# KiCad board mixer.pcb.kicad_pcb
title: Mixer_pcb; rev: 0.2; company: AAA
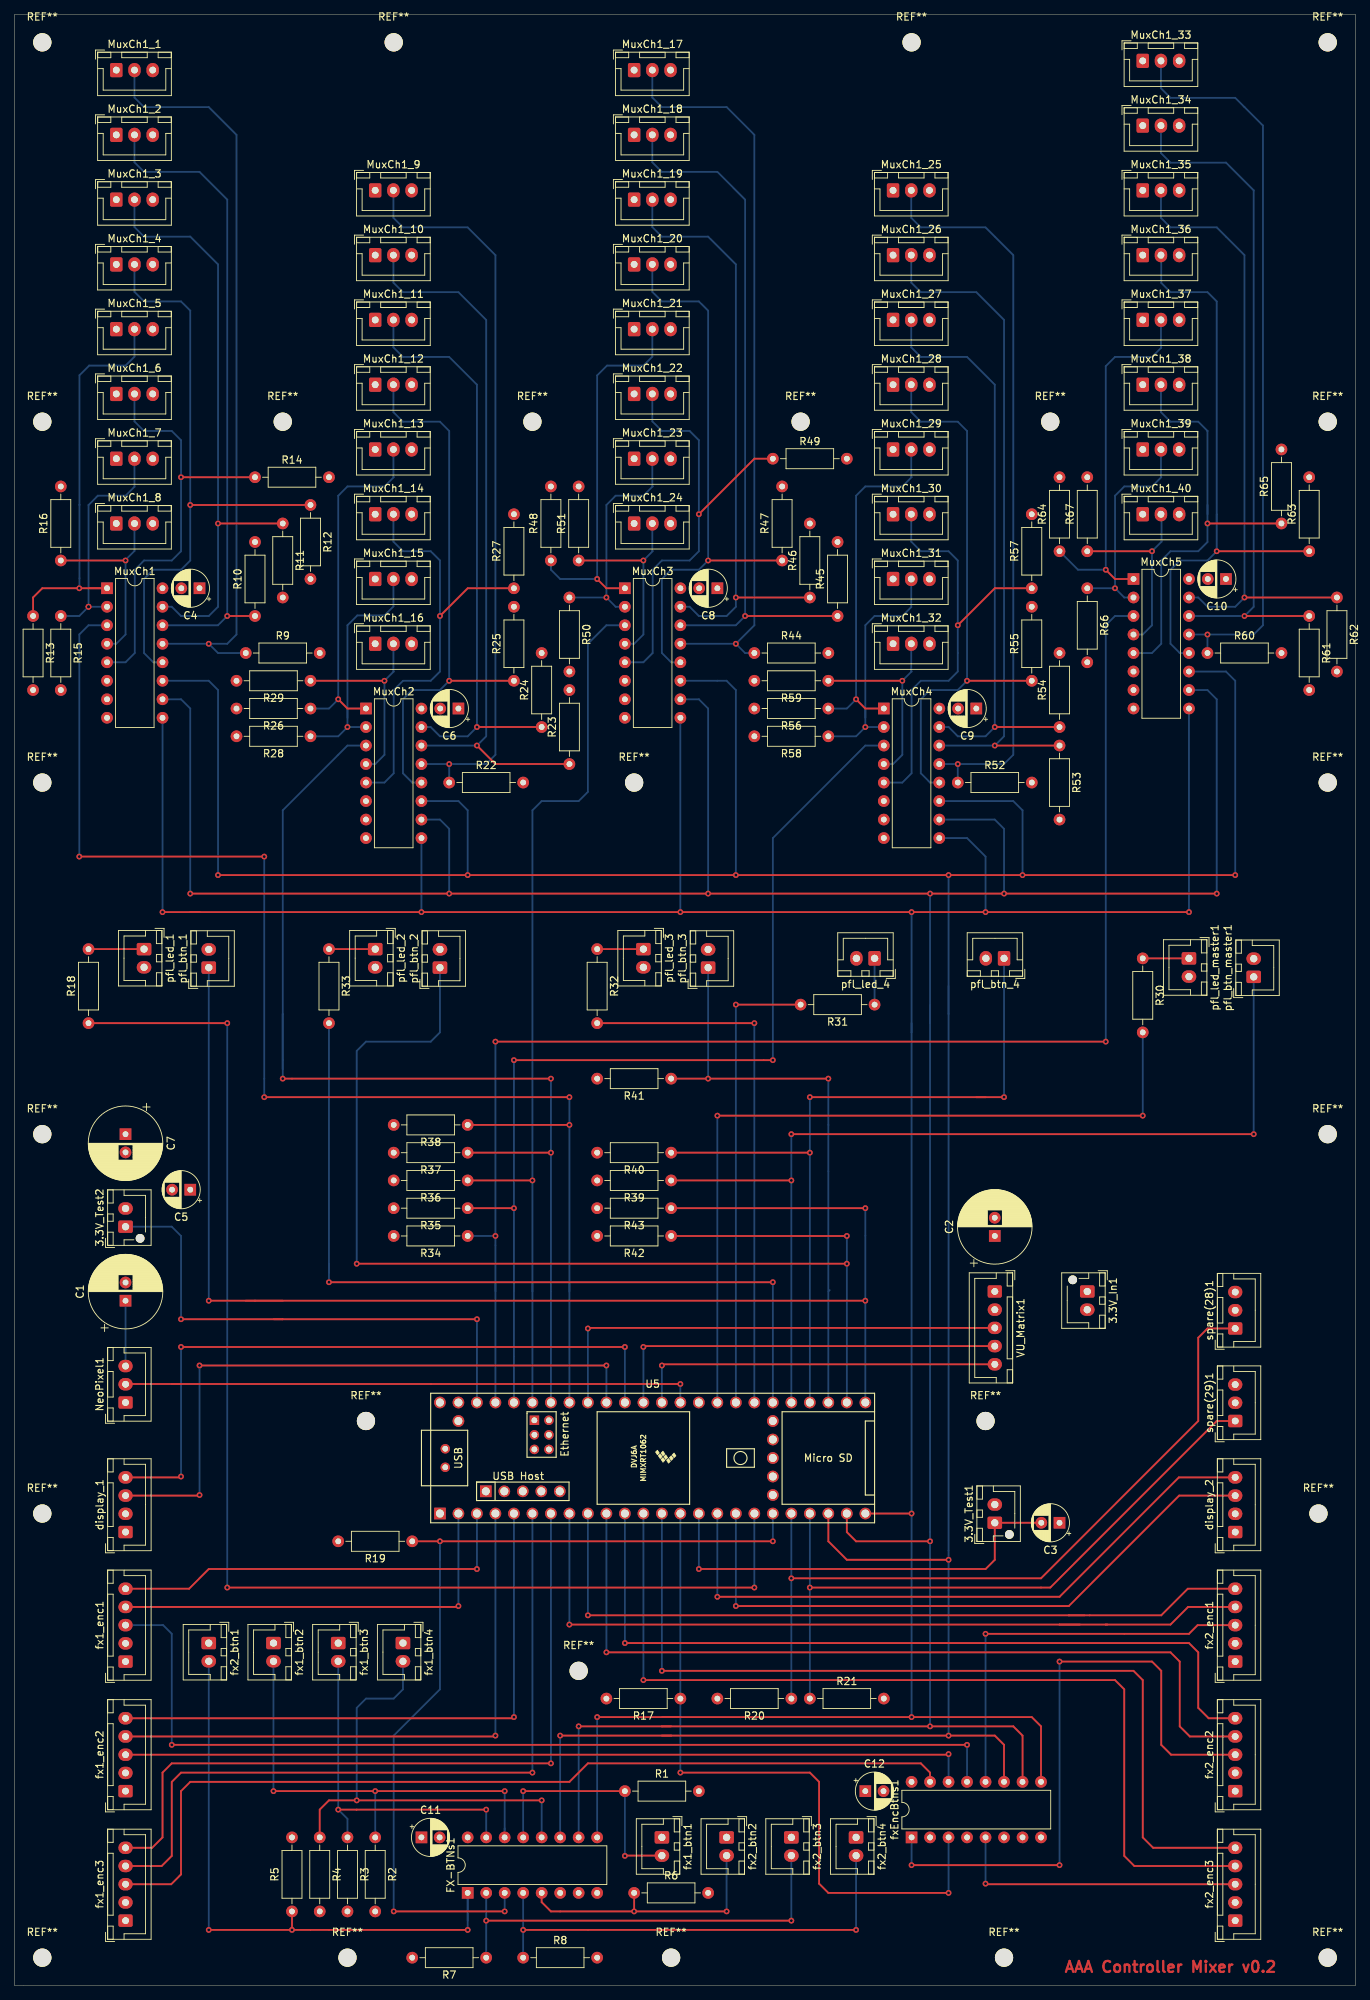
[diagram p0: board, top side]
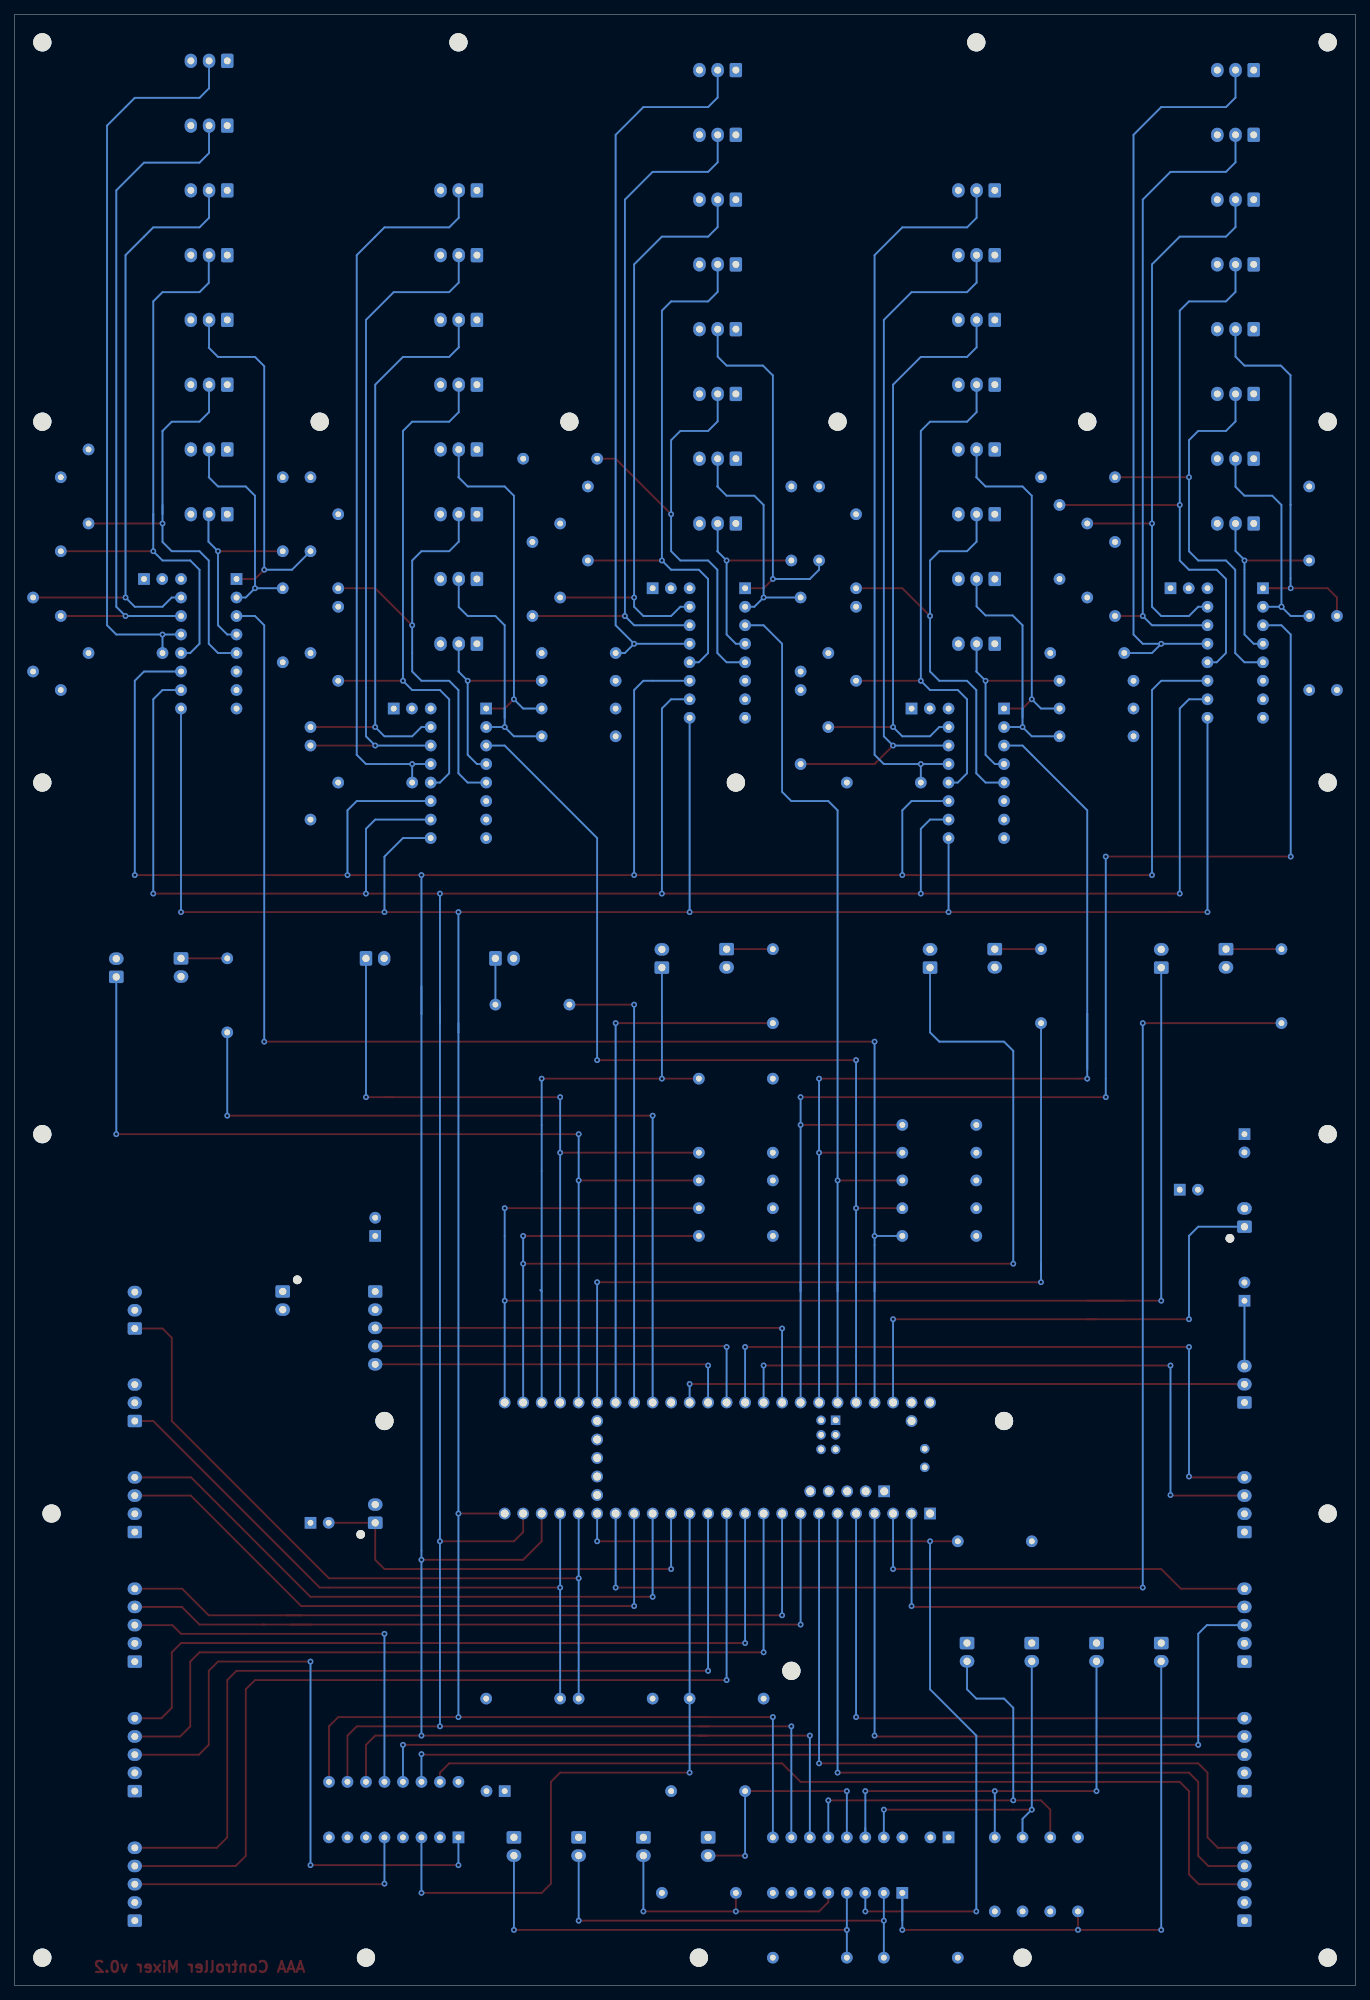
[diagram p1: board, bottom side, seen from below]

Outline 184.15 x 270.51 mm; copper layers: Top, In1.Cu (plane), In2.Cu (plane), Bottom. Coordinates in mm from the lower left corner of the outline.
Outline path: 0,270.51 184.15,270.51 184.15,0 0,0 0,270.51

## Placement (name value [footprint] x y rotation side)
3.3V_In1  Conn_01x02  [JST_XH_B2B-XH-AM_1x02_P2.50mm_Vertical]  147.32 95.25 270 top
3.3V_Test1  Conn_01x02  [JST_XH_B2B-XH-AM_1x02_P2.50mm_Vertical]  134.62 63.5 90 top
3.3V_Test2  Conn_01x02  [JST_XH_B2B-XH-AM_1x02_P2.50mm_Vertical]  15.24 104.14 90 top
C1  100 uF  [CP_Radial_D10.0mm_P2.50mm]  15.24 93.98 90 top
C2  100 uF  [CP_Radial_D10.0mm_P2.50mm]  134.62 102.87 90 top
C3  100 nF  [CP_Radial_D5.0mm_P2.50mm]  143.51 63.5 180 top
C4  100 nF  [CP_Radial_D5.0mm_P2.50mm]  25.4 191.77 180 top
C5  100 nF  [CP_Radial_D5.0mm_P2.50mm]  24.13 109.22 180 top
C6  100 nF  [CP_Radial_D5.0mm_P2.50mm]  60.96 175.26 180 top
C7  100 uF  [CP_Radial_D10.0mm_P2.50mm]  15.24 116.84 270 top
C8  100 nF  [CP_Radial_D5.0mm_P2.50mm]  96.52 191.77 180 top
C9  100 nF  [CP_Radial_D5.0mm_P2.50mm]  132.08 175.26 180 top
C10  100 nF  [CP_Radial_D5.0mm_P2.50mm]  166.37 193.04 180 top
C11  100 nF  [CP_Radial_D5.0mm_P2.50mm]  55.88 20.32 0 top
C12  100 nF  [CP_Radial_D5.0mm_P2.50mm]  116.84 26.67 0 top
display_1  Conn_01x04  [JST_XH_B4B-XH-A_1x04_P2.50mm_Vertical]  15.24 62.23 90 top
display_2  Conn_01x04  [JST_XH_B4B-XH-A_1x04_P2.50mm_Vertical]  167.64 62.23 90 top
fx1_btn1  Conn_01x02  [JST_XH_B2B-XH-A_1x02_P2.50mm_Vertical]  88.9 20.32 270 top
fx1_btn2  Conn_01x02  [JST_XH_B2B-XH-A_1x02_P2.50mm_Vertical]  35.56 46.99 270 top
fx1_btn3  Conn_01x02  [JST_XH_B2B-XH-A_1x02_P2.50mm_Vertical]  44.45 46.99 270 top
fx1_btn4  Conn_01x02  [JST_XH_B2B-XH-A_1x02_P2.50mm_Vertical]  53.34 46.99 270 top
fx1_enc1  Conn_01x05  [JST_XH_B5B-XH-A_1x05_P2.50mm_Vertical]  15.24 44.45 90 top
fx1_enc2  Conn_01x05  [JST_XH_B5B-XH-A_1x05_P2.50mm_Vertical]  15.24 26.67 90 top
fx1_enc3  Conn_01x05  [JST_XH_B5B-XH-A_1x05_P2.50mm_Vertical]  15.24 8.89 90 top
fx2_btn1  Conn_01x02  [JST_XH_B2B-XH-A_1x02_P2.50mm_Vertical]  26.67 46.99 270 top
fx2_btn2  Conn_01x02  [JST_XH_B2B-XH-A_1x02_P2.50mm_Vertical]  97.79 20.32 270 top
fx2_btn3  Conn_01x02  [JST_XH_B2B-XH-A_1x02_P2.50mm_Vertical]  106.68 20.32 270 top
fx2_btn4  Conn_01x02  [JST_XH_B2B-XH-A_1x02_P2.50mm_Vertical]  115.57 20.32 270 top
fx2_enc1  Conn_01x05  [JST_XH_B5B-XH-A_1x05_P2.50mm_Vertical]  167.64 44.45 90 top
fx2_enc2  Conn_01x05  [JST_XH_B5B-XH-A_1x05_P2.50mm_Vertical]  167.64 26.67 90 top
fx2_enc3  Conn_01x05  [JST_XH_B5B-XH-A_1x05_P2.50mm_Vertical]  167.64 8.89 90 top
FX-BTNs1  74HC4051  [DIP-16_W7.62mm]  62.23 12.7 90 top
fxEncBtns1  74HC4051  [DIP-16_W7.62mm]  123.19 20.32 90 top
MuxCh1  74HC4051  [DIP-16_W7.62mm]  12.7 191.77 0 top
MuxCh1_1  Conn_01x03  [JST_XH_B3B-XH-A_1x03_P2.50mm_Vertical]  13.97 262.89 0 top
MuxCh1_2  Conn_01x03  [JST_XH_B3B-XH-A_1x03_P2.50mm_Vertical]  13.97 254 0 top
MuxCh1_3  Conn_01x03  [JST_XH_B3B-XH-A_1x03_P2.50mm_Vertical]  13.97 245.11 0 top
MuxCh1_4  Conn_01x03  [JST_XH_B3B-XH-A_1x03_P2.50mm_Vertical]  13.97 236.22 0 top
MuxCh1_5  Conn_01x03  [JST_XH_B3B-XH-A_1x03_P2.50mm_Vertical]  13.97 227.33 0 top
MuxCh1_6  Conn_01x03  [JST_XH_B3B-XH-A_1x03_P2.50mm_Vertical]  13.97 218.44 0 top
MuxCh1_7  Conn_01x03  [JST_XH_B3B-XH-A_1x03_P2.50mm_Vertical]  13.97 209.55 0 top
MuxCh1_8  Conn_01x03  [JST_XH_B3B-XH-A_1x03_P2.50mm_Vertical]  13.97 200.66 0 top
MuxCh1_9  Conn_01x03  [JST_XH_B3B-XH-A_1x03_P2.50mm_Vertical]  49.53 246.38 0 top
MuxCh1_10  Conn_01x03  [JST_XH_B3B-XH-A_1x03_P2.50mm_Vertical]  49.53 237.49 0 top
MuxCh1_11  Conn_01x03  [JST_XH_B3B-XH-A_1x03_P2.50mm_Vertical]  49.53 228.6 0 top
MuxCh1_12  Conn_01x03  [JST_XH_B3B-XH-A_1x03_P2.50mm_Vertical]  49.53 219.71 0 top
MuxCh1_13  Conn_01x03  [JST_XH_B3B-XH-A_1x03_P2.50mm_Vertical]  49.53 210.82 0 top
MuxCh1_14  Conn_01x03  [JST_XH_B3B-XH-A_1x03_P2.50mm_Vertical]  49.53 201.93 0 top
MuxCh1_15  Conn_01x03  [JST_XH_B3B-XH-A_1x03_P2.50mm_Vertical]  49.53 193.04 0 top
MuxCh1_16  Conn_01x03  [JST_XH_B3B-XH-A_1x03_P2.50mm_Vertical]  49.53 184.15 0 top
MuxCh1_17  Conn_01x03  [JST_XH_B3B-XH-A_1x03_P2.50mm_Vertical]  85.09 262.89 0 top
MuxCh1_18  Conn_01x03  [JST_XH_B3B-XH-A_1x03_P2.50mm_Vertical]  85.09 254 0 top
MuxCh1_19  Conn_01x03  [JST_XH_B3B-XH-A_1x03_P2.50mm_Vertical]  85.09 245.11 0 top
MuxCh1_20  Conn_01x03  [JST_XH_B3B-XH-A_1x03_P2.50mm_Vertical]  85.09 236.22 0 top
MuxCh1_21  Conn_01x03  [JST_XH_B3B-XH-A_1x03_P2.50mm_Vertical]  85.09 227.33 0 top
MuxCh1_22  Conn_01x03  [JST_XH_B3B-XH-A_1x03_P2.50mm_Vertical]  85.09 218.44 0 top
MuxCh1_23  Conn_01x03  [JST_XH_B3B-XH-A_1x03_P2.50mm_Vertical]  85.09 209.55 0 top
MuxCh1_24  Conn_01x03  [JST_XH_B3B-XH-A_1x03_P2.50mm_Vertical]  85.09 200.66 0 top
MuxCh1_25  Conn_01x03  [JST_XH_B3B-XH-A_1x03_P2.50mm_Vertical]  120.65 246.38 0 top
MuxCh1_26  Conn_01x03  [JST_XH_B3B-XH-A_1x03_P2.50mm_Vertical]  120.65 237.49 0 top
MuxCh1_27  Conn_01x03  [JST_XH_B3B-XH-A_1x03_P2.50mm_Vertical]  120.65 228.6 0 top
MuxCh1_28  Conn_01x03  [JST_XH_B3B-XH-A_1x03_P2.50mm_Vertical]  120.65 219.71 0 top
MuxCh1_29  Conn_01x03  [JST_XH_B3B-XH-A_1x03_P2.50mm_Vertical]  120.65 210.82 0 top
MuxCh1_30  Conn_01x03  [JST_XH_B3B-XH-A_1x03_P2.50mm_Vertical]  120.65 201.93 0 top
MuxCh1_31  Conn_01x03  [JST_XH_B3B-XH-A_1x03_P2.50mm_Vertical]  120.65 193.04 0 top
MuxCh1_32  Conn_01x03  [JST_XH_B3B-XH-A_1x03_P2.50mm_Vertical]  120.65 184.15 0 top
MuxCh1_33  Conn_01x03  [JST_XH_B3B-XH-A_1x03_P2.50mm_Vertical]  154.94 264.16 0 top
MuxCh1_34  Conn_01x03  [JST_XH_B3B-XH-A_1x03_P2.50mm_Vertical]  154.94 255.27 0 top
MuxCh1_35  Conn_01x03  [JST_XH_B3B-XH-A_1x03_P2.50mm_Vertical]  154.94 246.38 0 top
MuxCh1_36  Conn_01x03  [JST_XH_B3B-XH-A_1x03_P2.50mm_Vertical]  154.94 237.49 0 top
MuxCh1_37  Conn_01x03  [JST_XH_B3B-XH-A_1x03_P2.50mm_Vertical]  154.94 228.6 0 top
MuxCh1_38  Conn_01x03  [JST_XH_B3B-XH-A_1x03_P2.50mm_Vertical]  154.94 219.71 0 top
MuxCh1_39  Conn_01x03  [JST_XH_B3B-XH-A_1x03_P2.50mm_Vertical]  154.94 210.82 0 top
MuxCh1_40  Conn_01x03  [JST_XH_B3B-XH-A_1x03_P2.50mm_Vertical]  154.94 201.93 0 top
MuxCh2  74HC4051  [DIP-16_W7.62mm]  48.26 175.26 0 top
MuxCh3  74HC4051  [DIP-16_W7.62mm]  83.82 191.77 0 top
MuxCh4  74HC4051  [DIP-16_W7.62mm]  119.38 175.26 0 top
MuxCh5  74HC4051  [DIP-16_W7.62mm]  153.67 193.04 0 top
NeoPixel1  Conn_01x03  [JST_XH_B3B-XH-A_1x03_P2.50mm_Vertical]  15.24 80.01 90 top
pfl_btn_1  Conn_01x02  [JST_XH_B2B-XH-A_1x02_P2.50mm_Vertical]  26.67 139.7 90 top
pfl_btn_2  Conn_01x02  [JST_XH_B2B-XH-A_1x02_P2.50mm_Vertical]  58.42 139.7 90 top
pfl_btn_3  Conn_01x02  [JST_XH_B2B-XH-A_1x02_P2.50mm_Vertical]  95.25 139.7 90 top
pfl_btn_4  Conn_01x02  [JST_XH_B2B-XH-A_1x02_P2.50mm_Vertical]  135.89 140.97 180 top
pfl_btn_master1  Conn_01x02  [JST_XH_B2B-XH-A_1x02_P2.50mm_Vertical]  170.18 138.43 90 top
pfl_led_1  Conn_01x02  [JST_XH_B2B-XH-A_1x02_P2.50mm_Vertical]  17.78 142.24 270 top
pfl_led_2  Conn_01x02  [JST_XH_B2B-XH-A_1x02_P2.50mm_Vertical]  49.53 142.24 270 top
pfl_led_3  Conn_01x02  [JST_XH_B2B-XH-A_1x02_P2.50mm_Vertical]  86.36 142.24 270 top
pfl_led_4  Conn_01x02  [JST_XH_B2B-XH-A_1x02_P2.50mm_Vertical]  118.11 140.97 180 top
pfl_led_master1  Conn_01x02  [JST_XH_B2B-XH-A_1x02_P2.50mm_Vertical]  161.29 140.97 270 top
R1  100k  [R_Axial_DIN0207_L6.3mm_D2.5mm_P10.16mm_Horizontal]  83.82 26.67 0 top
R2  100k  [R_Axial_DIN0207_L6.3mm_D2.5mm_P10.16mm_Horizontal]  49.53 20.32 270 top
R3  100k  [R_Axial_DIN0207_L6.3mm_D2.5mm_P10.16mm_Horizontal]  45.72 20.32 270 top
R4  100k  [R_Axial_DIN0207_L6.3mm_D2.5mm_P10.16mm_Horizontal]  41.91 20.32 270 top
R5  100k  [R_Axial_DIN0207_L6.3mm_D2.5mm_P10.16mm_Horizontal]  38.1 10.16 90 top
R6  100k  [R_Axial_DIN0207_L6.3mm_D2.5mm_P10.16mm_Horizontal]  85.09 12.7 0 top
R7  100k  [R_Axial_DIN0207_L6.3mm_D2.5mm_P10.16mm_Horizontal]  64.77 3.81 180 top
R8  100k  [R_Axial_DIN0207_L6.3mm_D2.5mm_P10.16mm_Horizontal]  69.85 3.81 0 top
R9  100k  [R_Axial_DIN0207_L6.3mm_D2.5mm_P10.16mm_Horizontal]  31.75 182.88 0 top
R10  100k  [R_Axial_DIN0207_L6.3mm_D2.5mm_P10.16mm_Horizontal]  33.02 187.96 90 top
R11  100k  [R_Axial_DIN0207_L6.3mm_D2.5mm_P10.16mm_Horizontal]  36.83 200.66 270 top
R12  100k  [R_Axial_DIN0207_L6.3mm_D2.5mm_P10.16mm_Horizontal]  40.64 203.2 270 top
R13  100k  [R_Axial_DIN0207_L6.3mm_D2.5mm_P10.16mm_Horizontal]  2.54 187.96 270 top
R14  100k  [R_Axial_DIN0207_L6.3mm_D2.5mm_P10.16mm_Horizontal]  33.02 207.01 0 top
R15  100k  [R_Axial_DIN0207_L6.3mm_D2.5mm_P10.16mm_Horizontal]  6.35 187.96 270 top
R16  100k  [R_Axial_DIN0207_L6.3mm_D2.5mm_P10.16mm_Horizontal]  6.35 195.58 90 top
R17  100k  [R_Axial_DIN0207_L6.3mm_D2.5mm_P10.16mm_Horizontal]  91.44 39.37 180 top
R18  500  [R_Axial_DIN0207_L6.3mm_D2.5mm_P10.16mm_Horizontal]  10.16 132.08 90 top
R19  100k  [R_Axial_DIN0207_L6.3mm_D2.5mm_P10.16mm_Horizontal]  54.61 60.96 180 top
R20  100k  [R_Axial_DIN0207_L6.3mm_D2.5mm_P10.16mm_Horizontal]  106.68 39.37 180 top
R21  100k  [R_Axial_DIN0207_L6.3mm_D2.5mm_P10.16mm_Horizontal]  109.22 39.37 0 top
R22  100k  [R_Axial_DIN0207_L6.3mm_D2.5mm_P10.16mm_Horizontal]  59.69 165.1 0 top
R23  100k  [R_Axial_DIN0207_L6.3mm_D2.5mm_P10.16mm_Horizontal]  76.2 167.64 90 top
R24  100k  [R_Axial_DIN0207_L6.3mm_D2.5mm_P10.16mm_Horizontal]  72.39 172.72 90 top
R25  100k  [R_Axial_DIN0207_L6.3mm_D2.5mm_P10.16mm_Horizontal]  68.58 179.07 90 top
R26  100k  [R_Axial_DIN0207_L6.3mm_D2.5mm_P10.16mm_Horizontal]  40.64 175.26 180 top
R27  100k  [R_Axial_DIN0207_L6.3mm_D2.5mm_P10.16mm_Horizontal]  68.58 191.77 90 top
R28  100k  [R_Axial_DIN0207_L6.3mm_D2.5mm_P10.16mm_Horizontal]  40.64 171.45 180 top
R29  100k  [R_Axial_DIN0207_L6.3mm_D2.5mm_P10.16mm_Horizontal]  40.64 179.07 180 top
R30  500  [R_Axial_DIN0207_L6.3mm_D2.5mm_P10.16mm_Horizontal]  154.94 140.97 270 top
R31  500  [R_Axial_DIN0207_L6.3mm_D2.5mm_P10.16mm_Horizontal]  118.11 134.62 180 top
R32  500  [R_Axial_DIN0207_L6.3mm_D2.5mm_P10.16mm_Horizontal]  80.01 142.24 270 top
R33  500  [R_Axial_DIN0207_L6.3mm_D2.5mm_P10.16mm_Horizontal]  43.18 142.24 270 top
R34  100k  [R_Axial_DIN0207_L6.3mm_D2.5mm_P10.16mm_Horizontal]  62.23 102.87 180 top
R35  100k  [R_Axial_DIN0207_L6.3mm_D2.5mm_P10.16mm_Horizontal]  62.23 106.68 180 top
R36  100k  [R_Axial_DIN0207_L6.3mm_D2.5mm_P10.16mm_Horizontal]  62.23 110.49 180 top
R37  100k  [R_Axial_DIN0207_L6.3mm_D2.5mm_P10.16mm_Horizontal]  62.23 114.3 180 top
R38  100k  [R_Axial_DIN0207_L6.3mm_D2.5mm_P10.16mm_Horizontal]  62.23 118.11 180 top
R39  100k  [R_Axial_DIN0207_L6.3mm_D2.5mm_P10.16mm_Horizontal]  90.17 110.49 180 top
R40  100k  [R_Axial_DIN0207_L6.3mm_D2.5mm_P10.16mm_Horizontal]  90.17 114.3 180 top
R41  100k  [R_Axial_DIN0207_L6.3mm_D2.5mm_P10.16mm_Horizontal]  90.17 124.46 180 top
R42  100k  [R_Axial_DIN0207_L6.3mm_D2.5mm_P10.16mm_Horizontal]  90.17 102.87 180 top
R43  100k  [R_Axial_DIN0207_L6.3mm_D2.5mm_P10.16mm_Horizontal]  90.17 106.68 180 top
R44  100k  [R_Axial_DIN0207_L6.3mm_D2.5mm_P10.16mm_Horizontal]  101.6 182.88 0 top
R45  100k  [R_Axial_DIN0207_L6.3mm_D2.5mm_P10.16mm_Horizontal]  113.03 187.96 90 top
R46  100k  [R_Axial_DIN0207_L6.3mm_D2.5mm_P10.16mm_Horizontal]  109.22 190.5 90 top
R47  100k  [R_Axial_DIN0207_L6.3mm_D2.5mm_P10.16mm_Horizontal]  105.41 195.58 90 top
R48  100k  [R_Axial_DIN0207_L6.3mm_D2.5mm_P10.16mm_Horizontal]  73.66 195.58 90 top
R49  100k  [R_Axial_DIN0207_L6.3mm_D2.5mm_P10.16mm_Horizontal]  104.14 209.55 0 top
R50  100k  [R_Axial_DIN0207_L6.3mm_D2.5mm_P10.16mm_Horizontal]  76.2 190.5 270 top
R51  100k  [R_Axial_DIN0207_L6.3mm_D2.5mm_P10.16mm_Horizontal]  77.47 195.58 90 top
R52  100k  [R_Axial_DIN0207_L6.3mm_D2.5mm_P10.16mm_Horizontal]  129.54 165.1 0 top
R53  100k  [R_Axial_DIN0207_L6.3mm_D2.5mm_P10.16mm_Horizontal]  143.51 170.18 270 top
R54  100k  [R_Axial_DIN0207_L6.3mm_D2.5mm_P10.16mm_Horizontal]  143.51 172.72 90 top
R55  100k  [R_Axial_DIN0207_L6.3mm_D2.5mm_P10.16mm_Horizontal]  139.7 179.07 90 top
R56  100k  [R_Axial_DIN0207_L6.3mm_D2.5mm_P10.16mm_Horizontal]  111.76 175.26 180 top
R57  100k  [R_Axial_DIN0207_L6.3mm_D2.5mm_P10.16mm_Horizontal]  139.7 191.77 90 top
R58  100k  [R_Axial_DIN0207_L6.3mm_D2.5mm_P10.16mm_Horizontal]  111.76 171.45 180 top
R59  100k  [R_Axial_DIN0207_L6.3mm_D2.5mm_P10.16mm_Horizontal]  111.76 179.07 180 top
R60  100k  [R_Axial_DIN0207_L6.3mm_D2.5mm_P10.16mm_Horizontal]  163.83 182.88 0 top
R61  100k  [R_Axial_DIN0207_L6.3mm_D2.5mm_P10.16mm_Horizontal]  177.8 187.96 270 top
R62  100k  [R_Axial_DIN0207_L6.3mm_D2.5mm_P10.16mm_Horizontal]  181.61 190.5 270 top
R63  100k  [R_Axial_DIN0207_L6.3mm_D2.5mm_P10.16mm_Horizontal]  177.8 196.85 90 top
R64  100k  [R_Axial_DIN0207_L6.3mm_D2.5mm_P10.16mm_Horizontal]  143.51 196.85 90 top
R65  100k  [R_Axial_DIN0207_L6.3mm_D2.5mm_P10.16mm_Horizontal]  173.99 200.66 90 top
R66  100k  [R_Axial_DIN0207_L6.3mm_D2.5mm_P10.16mm_Horizontal]  147.32 191.77 270 top
R67  100k  [R_Axial_DIN0207_L6.3mm_D2.5mm_P10.16mm_Horizontal]  147.32 196.85 90 top
REF**  -  [MountingHole_2.5mm]  3.81 266.7 0 top
REF**#2  -  [MountingHole_2.5mm]  142.24 214.63 0 top
REF**#3  -  [MountingHole_2.5mm]  179.07 64.77 0 top
REF**#4  -  [MountingHole_2.5mm]  36.83 214.63 0 top
REF**#5  -  [MountingHole_2.5mm]  71.12 214.63 0 top
REF**#6  -  [MountingHole_2.5mm]  107.95 214.63 0 top
REF**#7  -  [MountingHole_2.5mm]  133.35 77.47 0 top
REF**#8  -  [MountingHole_2.5mm]  77.47 43.18 0 top
REF**#9  -  [MountingHole_2.5mm]  48.26 77.47 0 top
REF**#10  -  [MountingHole_2.5mm]  85.09 165.1 0 top
REF**#11  -  [MountingHole_2.5mm]  3.81 214.63 0 top
REF**#12  -  [MountingHole_2.5mm]  3.81 165.1 0 top
REF**#13  -  [MountingHole_2.5mm]  3.81 116.84 0 top
REF**#14  -  [MountingHole_2.5mm]  3.81 64.77 0 top
REF**#15  -  [MountingHole_2.5mm]  135.89 3.81 0 top
REF**#16  -  [MountingHole_2.5mm]  3.81 3.81 0 top
REF**#17  -  [MountingHole_2.5mm]  45.72 3.81 0 top
REF**#18  -  [MountingHole_2.5mm]  90.17 3.81 0 top
REF**#19  -  [MountingHole_2.5mm]  180.34 3.81 0 top
REF**#20  -  [MountingHole_2.5mm]  180.34 116.84 0 top
REF**#21  -  [MountingHole_2.5mm]  180.34 165.1 0 top
REF**#22  -  [MountingHole_2.5mm]  180.34 214.63 0 top
REF**#23  -  [MountingHole_2.5mm]  180.34 266.7 0 top
REF**#24  -  [MountingHole_2.5mm]  123.19 266.7 0 top
REF**#25  -  [MountingHole_2.5mm]  52.07 266.7 0 top
spare(28)1  Conn_01x03  [JST_XH_B3B-XH-A_1x03_P2.50mm_Vertical]  167.64 90.17 90 top
spare(29)1  Conn_01x03  [JST_XH_B3B-XH-A_1x03_P2.50mm_Vertical]  167.64 77.47 90 top
U5  Teensy4.1  [Teensy41]  87.63 72.39 0 top
VU_Matrix1  MAX7219 led matrix vu  [JST_XH_B5B-XH-A_1x05_P2.50mm_Vertical]  134.62 95.25 270 top

## Footprints (pads in the part's own frame, mm; a bottom-side part is the same pattern mirrored in y, then rotated)
CP_Radial_D5.0mm_P2.50mm
  rect 1.6x1.6 hole 0.8: 1(0,0)
  round 1.6 hole 0.8: 2(2.5,0)
CP_Radial_D10.0mm_P2.50mm
  rect 1.6x1.6 hole 0.8: 1(0,0)
  round 1.6 hole 0.8: 2(2.5,0)
DIP-16_W7.62mm
  rect 1.6x1.6 hole 0.8: 1(0,0)
  oval 1.6x1.6 hole 0.8: 2(0,-2.54) 3(0,-5.08) 4(0,-7.62) 5(0,-10.16) 6(0,-12.7) 7(0,-15.24) 8(0,-17.78) 9(7.62,-17.78) 10(7.62,-15.24) 11(7.62,-12.7) 12(7.62,-10.16) 13(7.62,-7.62) 14(7.62,-5.08) 15(7.62,-2.54) 16(7.62,0)
JST_XH_B2B-XH-A_1x02_P2.50mm_Vertical
  rrect 1.7x2 hole 1: 1(0,0)
  oval 1.7x2 hole 1: 2(2.5,0)
JST_XH_B2B-XH-AM_1x02_P2.50mm_Vertical
  round 1.2 hole 1.2 unplated: (-1.6,-2)
  rrect 1.7x2 hole 1: 1(0,0)
  oval 1.7x2 hole 1: 2(2.5,0)
JST_XH_B3B-XH-A_1x03_P2.50mm_Vertical
  rrect 1.7x1.95 hole 0.95: 1(0,0)
  oval 1.7x1.95 hole 0.95: 2(2.5,0) 3(5,0)
JST_XH_B4B-XH-A_1x04_P2.50mm_Vertical
  rrect 1.7x1.95 hole 0.95: 1(0,0)
  oval 1.7x1.95 hole 0.95: 2(2.5,0) 3(5,0) 4(7.5,0)
JST_XH_B5B-XH-A_1x05_P2.50mm_Vertical
  rrect 1.7x1.95 hole 0.95: 1(0,0)
  oval 1.7x1.95 hole 0.95: 2(2.5,0) 3(5,0) 4(7.5,0) 5(10,0)
MountingHole_2.5mm
  round 2.5 hole 2.5 unplated: (0,0)
R_Axial_DIN0207_L6.3mm_D2.5mm_P10.16mm_Horizontal
  round 1.6 hole 0.8: 1(0,0)
  oval 1.6x1.6 hole 0.8: 2(10.16,0)
Teensy41
  rect 1.6x1.6 hole 1.1: 1(-29.21,-7.62) 55(-22.911,-4.569)
  round 1.6 hole 1.1: 2(-26.67,-7.62) 3(-24.13,-7.62) 4(-21.59,-7.62) 5(-19.05,-7.62) 6(-16.51,-7.62) 7(-13.97,-7.62) 8(-11.43,-7.62) 9(-8.89,-7.62) 10(-6.35,-7.62) 11(-3.81,-7.62) 12(-1.27,-7.62) 13(1.27,-7.62) 14(3.81,-7.62) 15(6.35,-7.62) 16(8.89,-7.62) 17(11.43,-7.62) 18(13.97,-7.62) 19(16.51,-7.62) 20(19.05,-7.62) 21(21.59,-7.62) 22(24.13,-7.62) 23(26.67,-7.62) 24(29.21,-7.62) 25(29.21,7.62) 26(26.67,7.62) 27(24.13,7.62) 28(21.59,7.62) 29(19.05,7.62) 30(16.51,7.62) 31(13.97,7.62) 32(11.43,7.62) 33(8.89,7.62) 34(6.35,7.62) 35(3.81,7.62) 36(1.27,7.62) 37(-1.27,7.62) 38(-3.81,7.62) 39(-6.35,7.62) 40(-8.89,7.62) 41(-11.43,7.62) 42(-13.97,7.62) 43(-16.51,7.62) 44(-19.05,7.62) 45(-21.59,7.62) 46(-24.13,7.62) 47(-26.67,7.62) 48(-29.21,7.62) 49(-26.67,5.08) 50(16.51,-5.08) 51(16.51,-2.54) 52(16.51,0) 53(16.51,2.54) 54(16.51,5.08) 56(-20.371,-4.569) 57(-17.831,-4.569) 58(-15.291,-4.569) 59(-12.751,-4.569)
  rect 1.3x1.3 hole 0.8: 60(-16.24,5.182)
  round 1.3 hole 0.8: 61(-16.24,3.182) 62(-16.24,1.182) 63(-14.24,1.182) 64(-14.24,3.182) 65(-14.24,5.182) 66(-28.48,1.27) 67(-28.48,-1.27)
